# Altium PCB eElements.PcbDoc
Units mm, origin at the board's own origin, x right, y up, seen from the top; angles counter-clockwise.
Board outline 32 x 40 mm, 4 copper layers (Top Layer, PWR, GND, Bottom Layer), stack 1.57 mm thick; 70 components, 49 nets, 263 pads, 73 vias.
Unrouted connection lines stored in the file: 3.
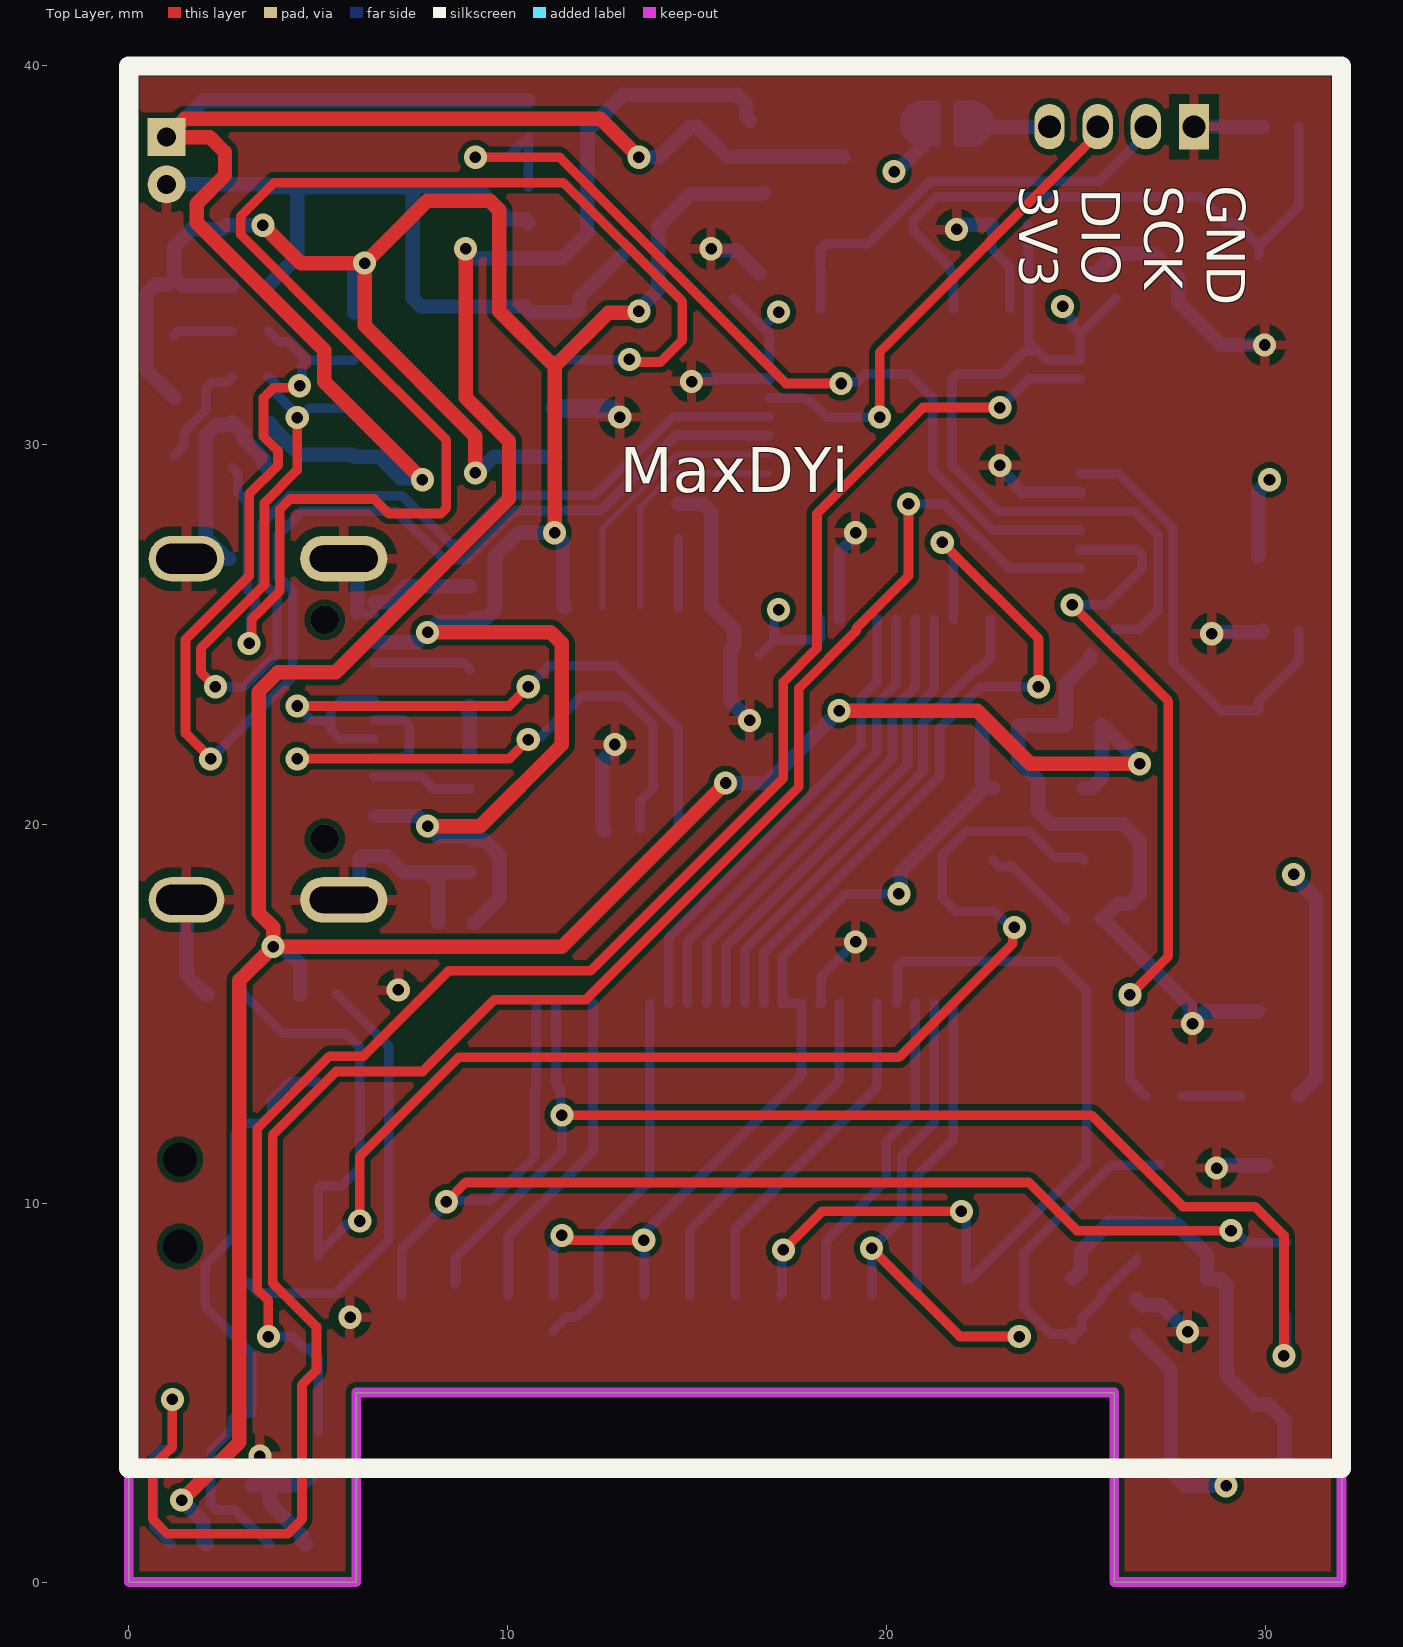
[diagram p0: Top Layer view]
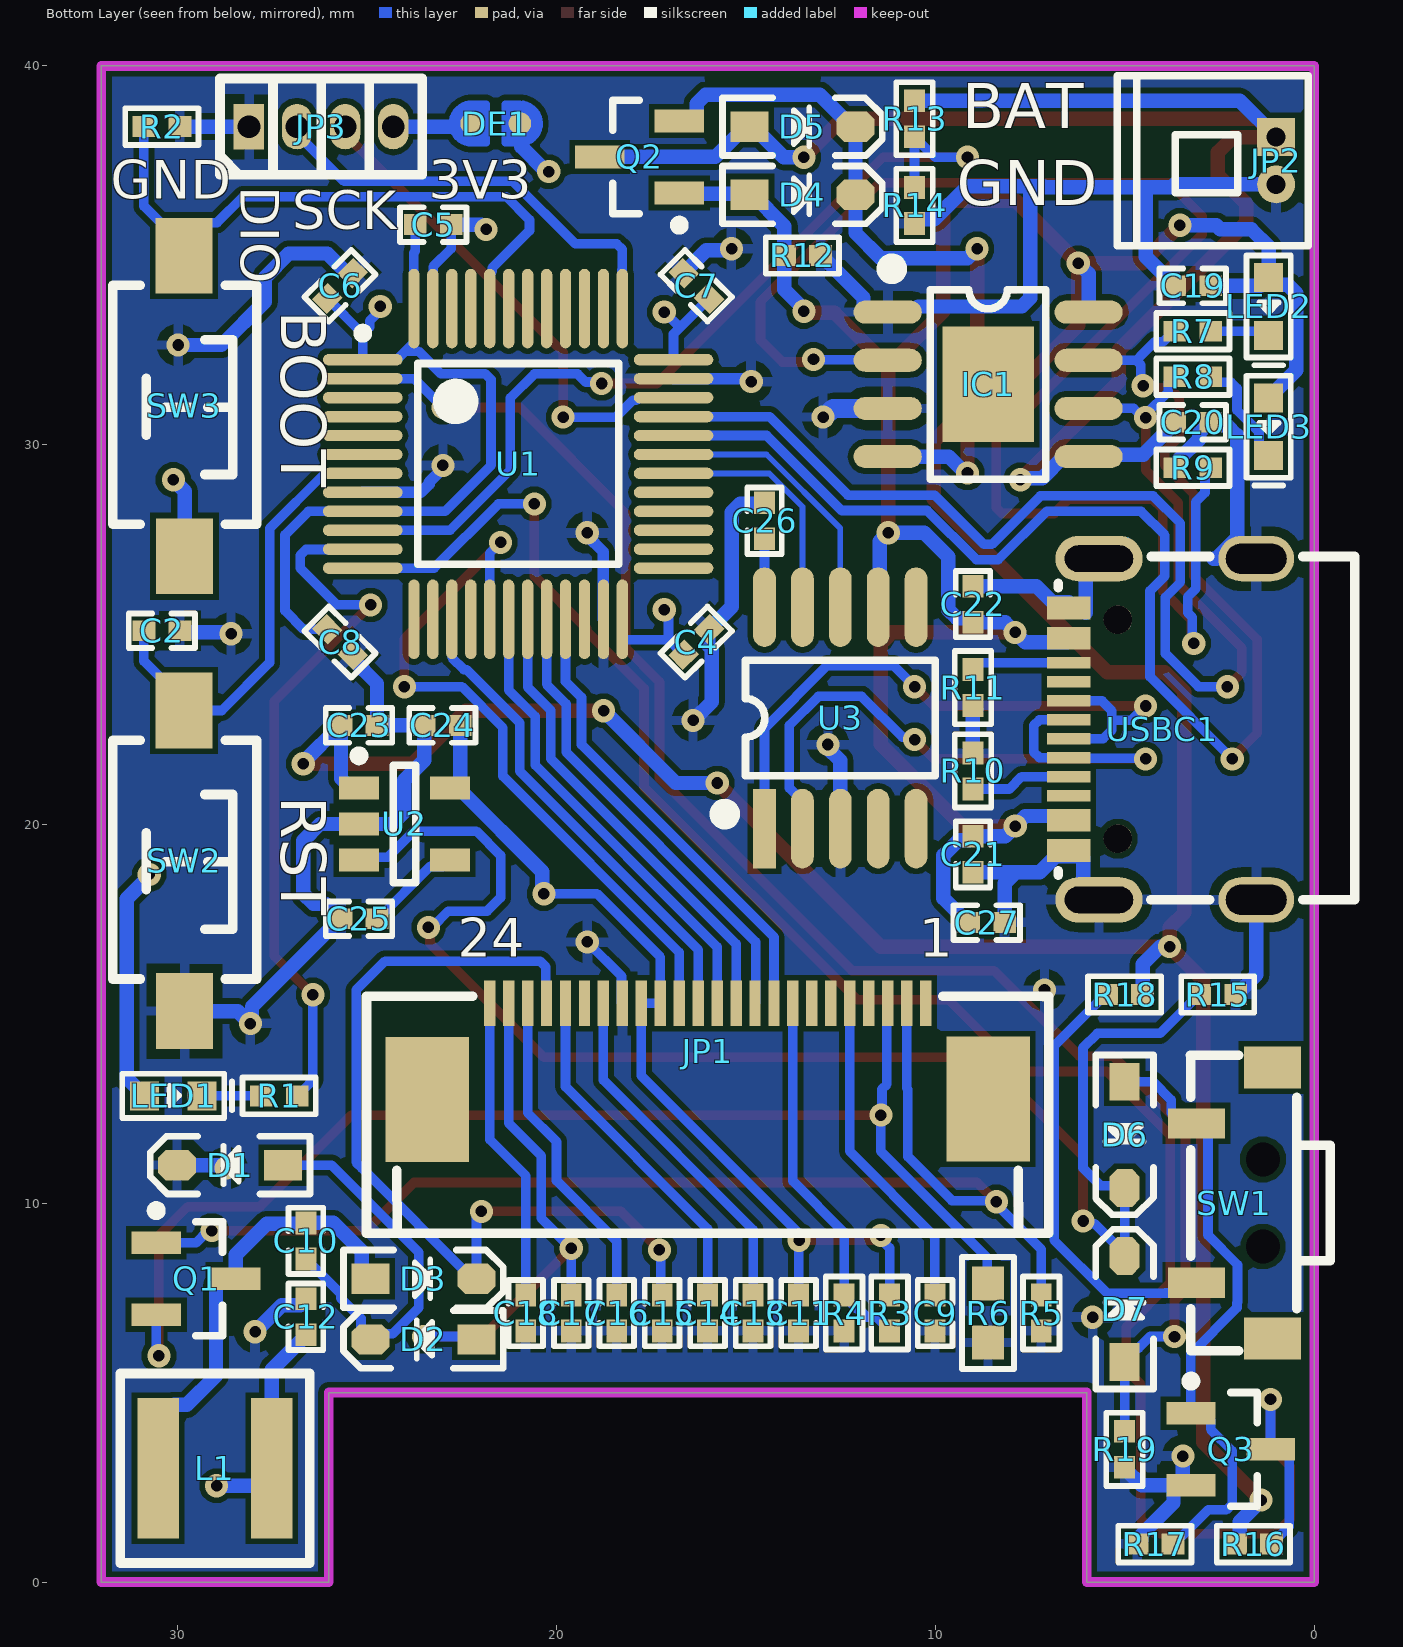
[diagram p1: Bottom Layer view, seen from below]
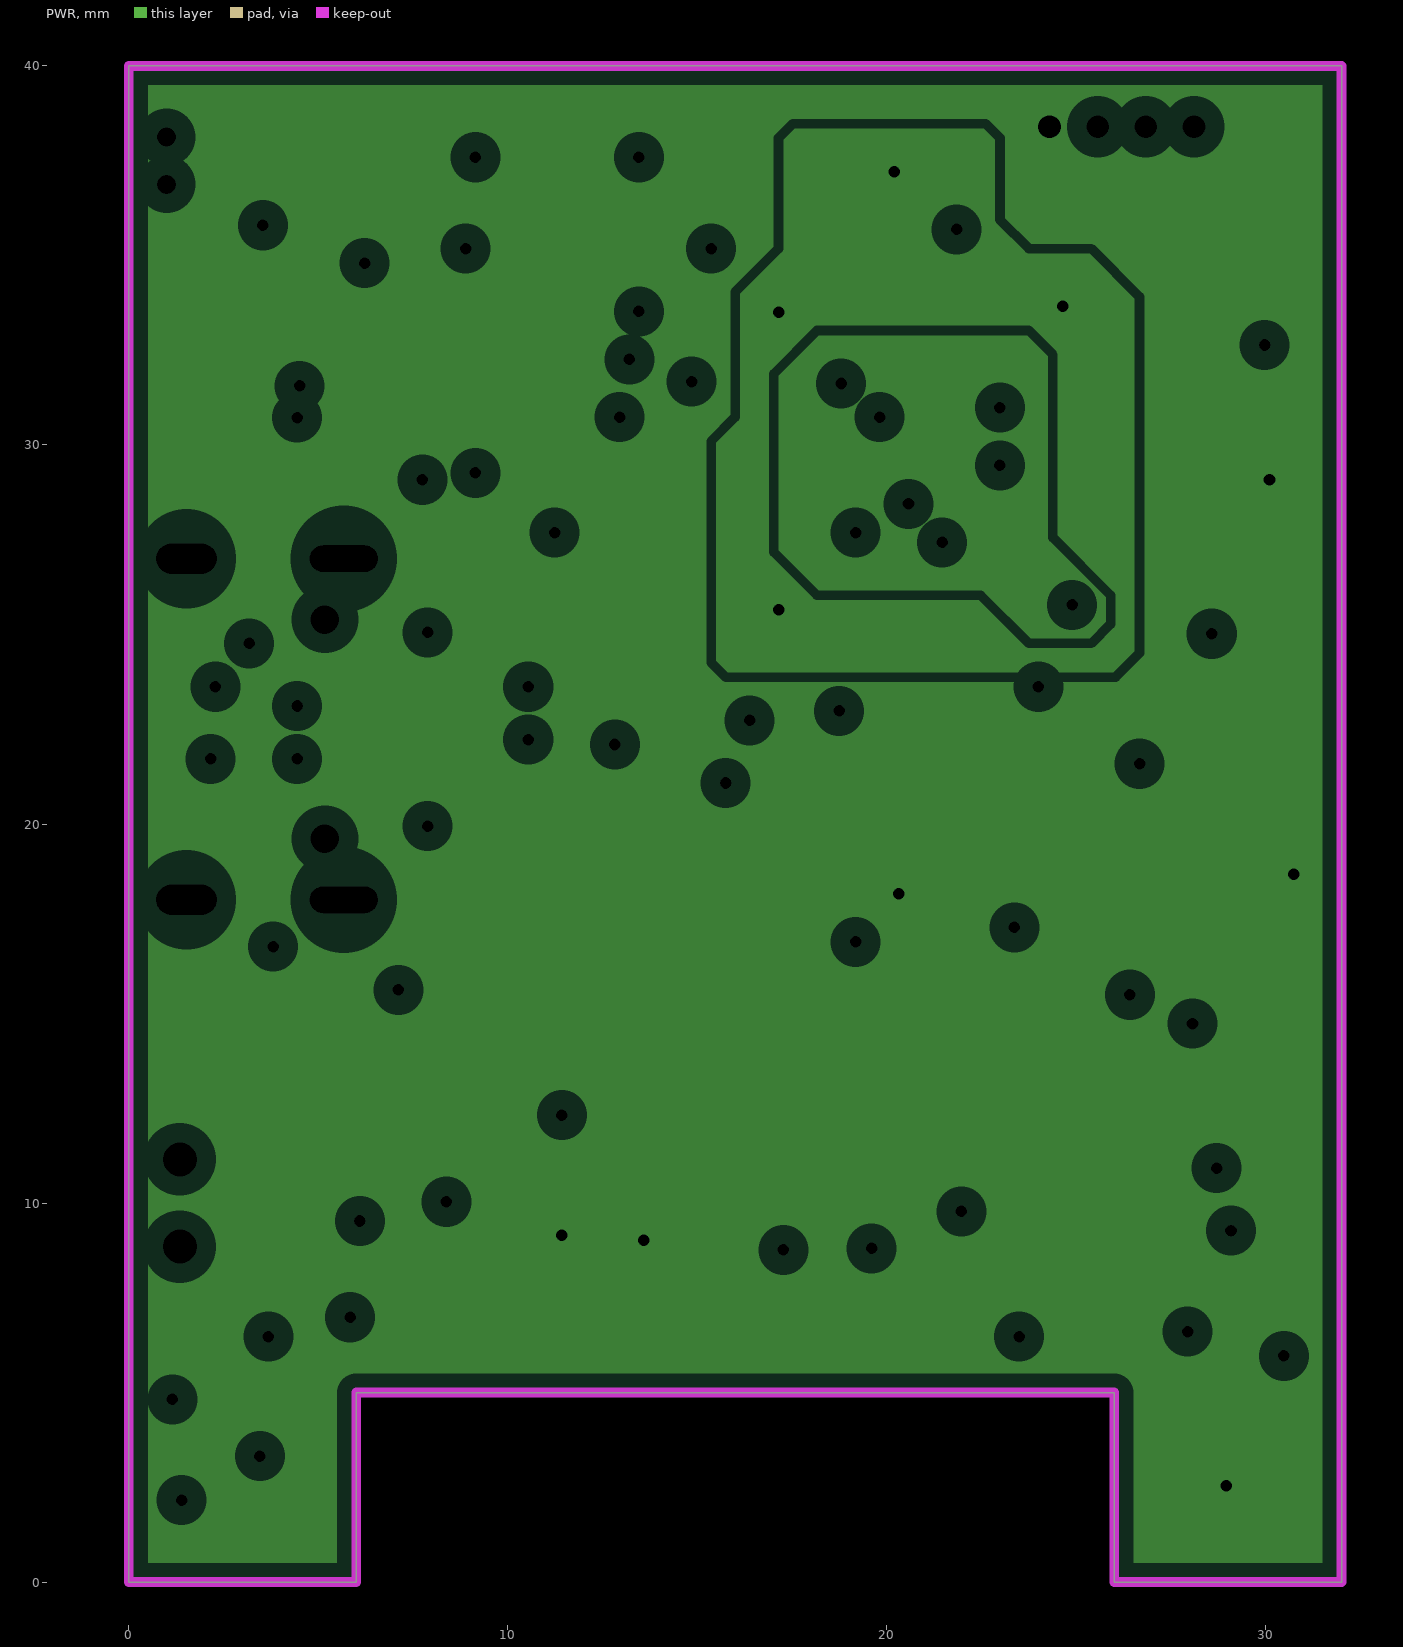
[diagram p2: PWR, clearances drawn from the general rule]
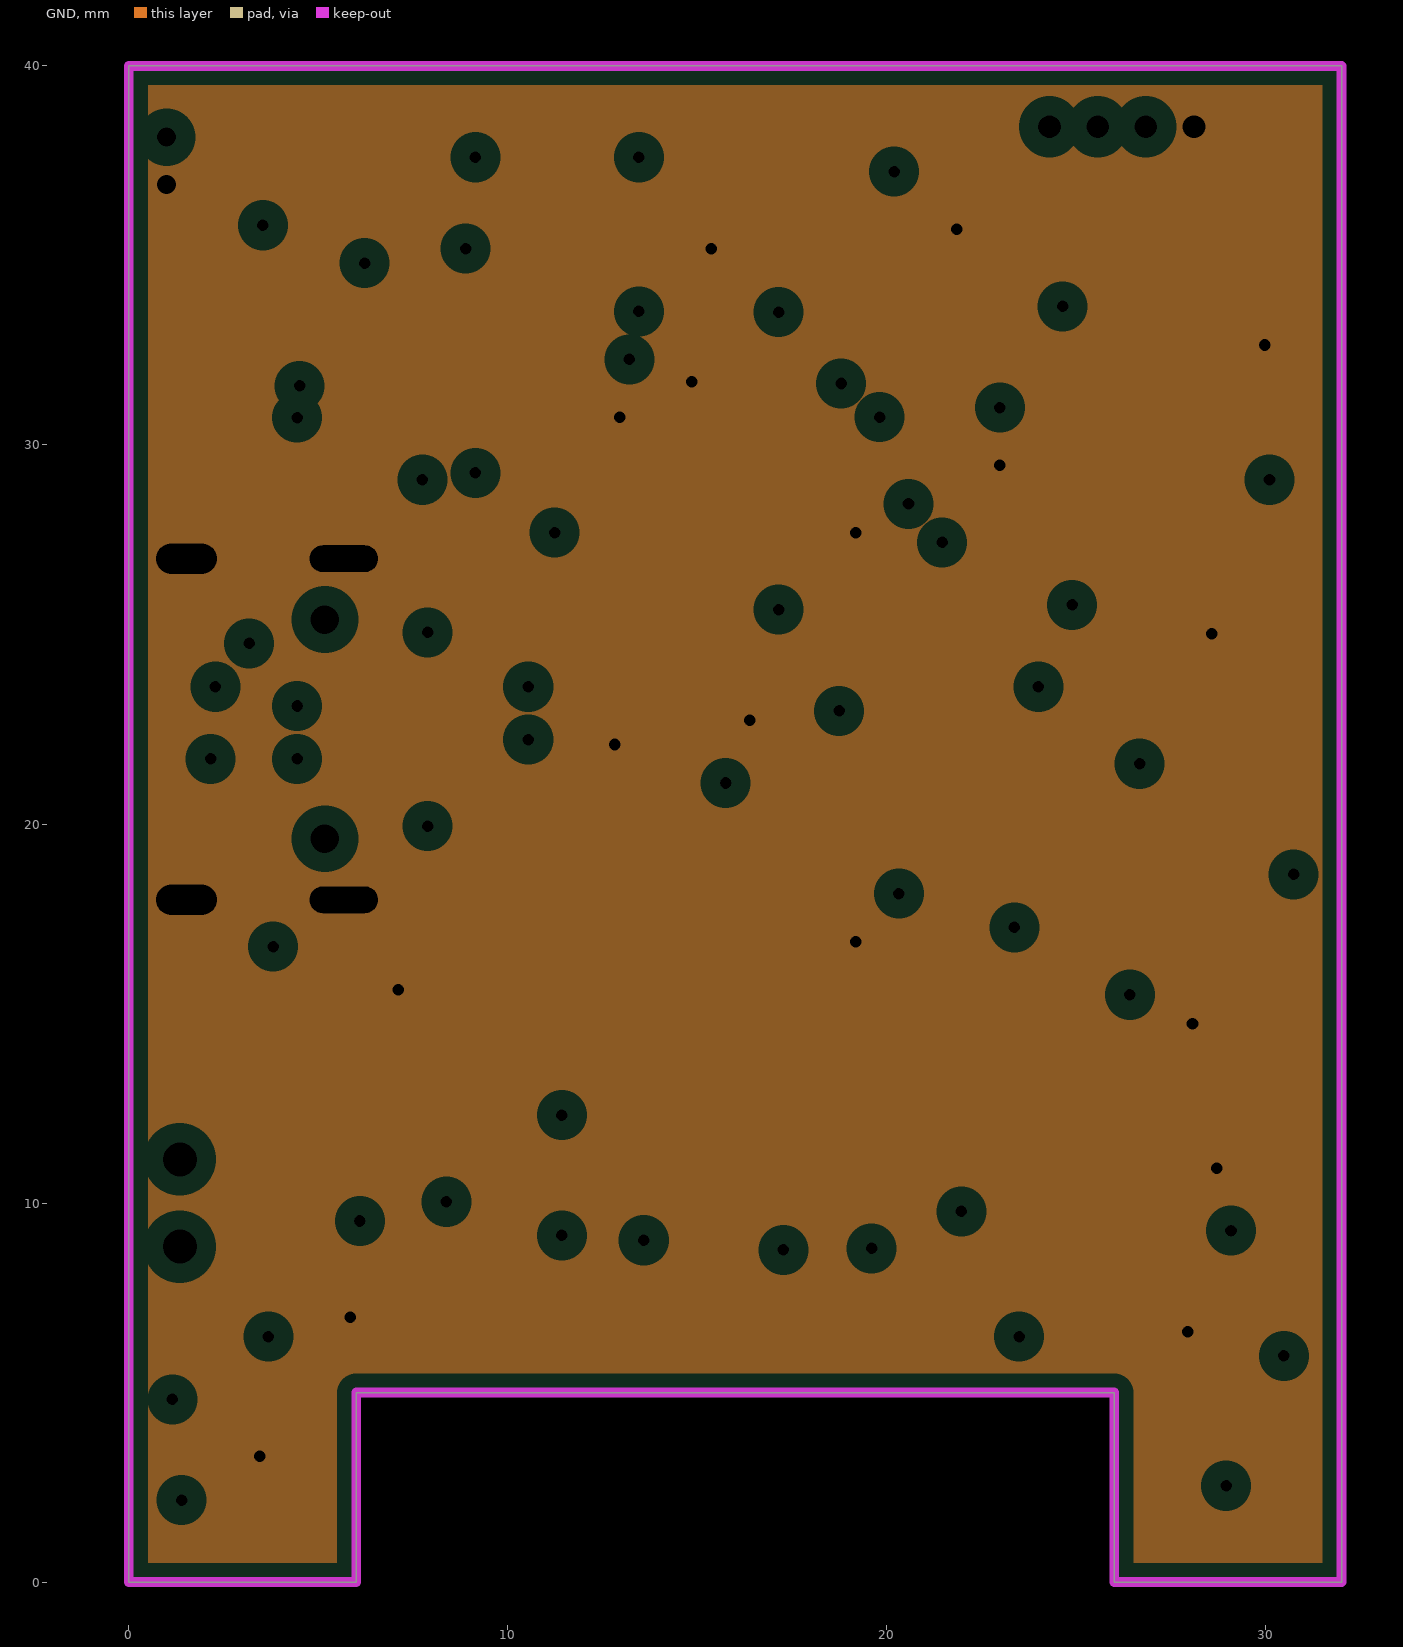
[diagram p3: GND, clearances drawn from the general rule]
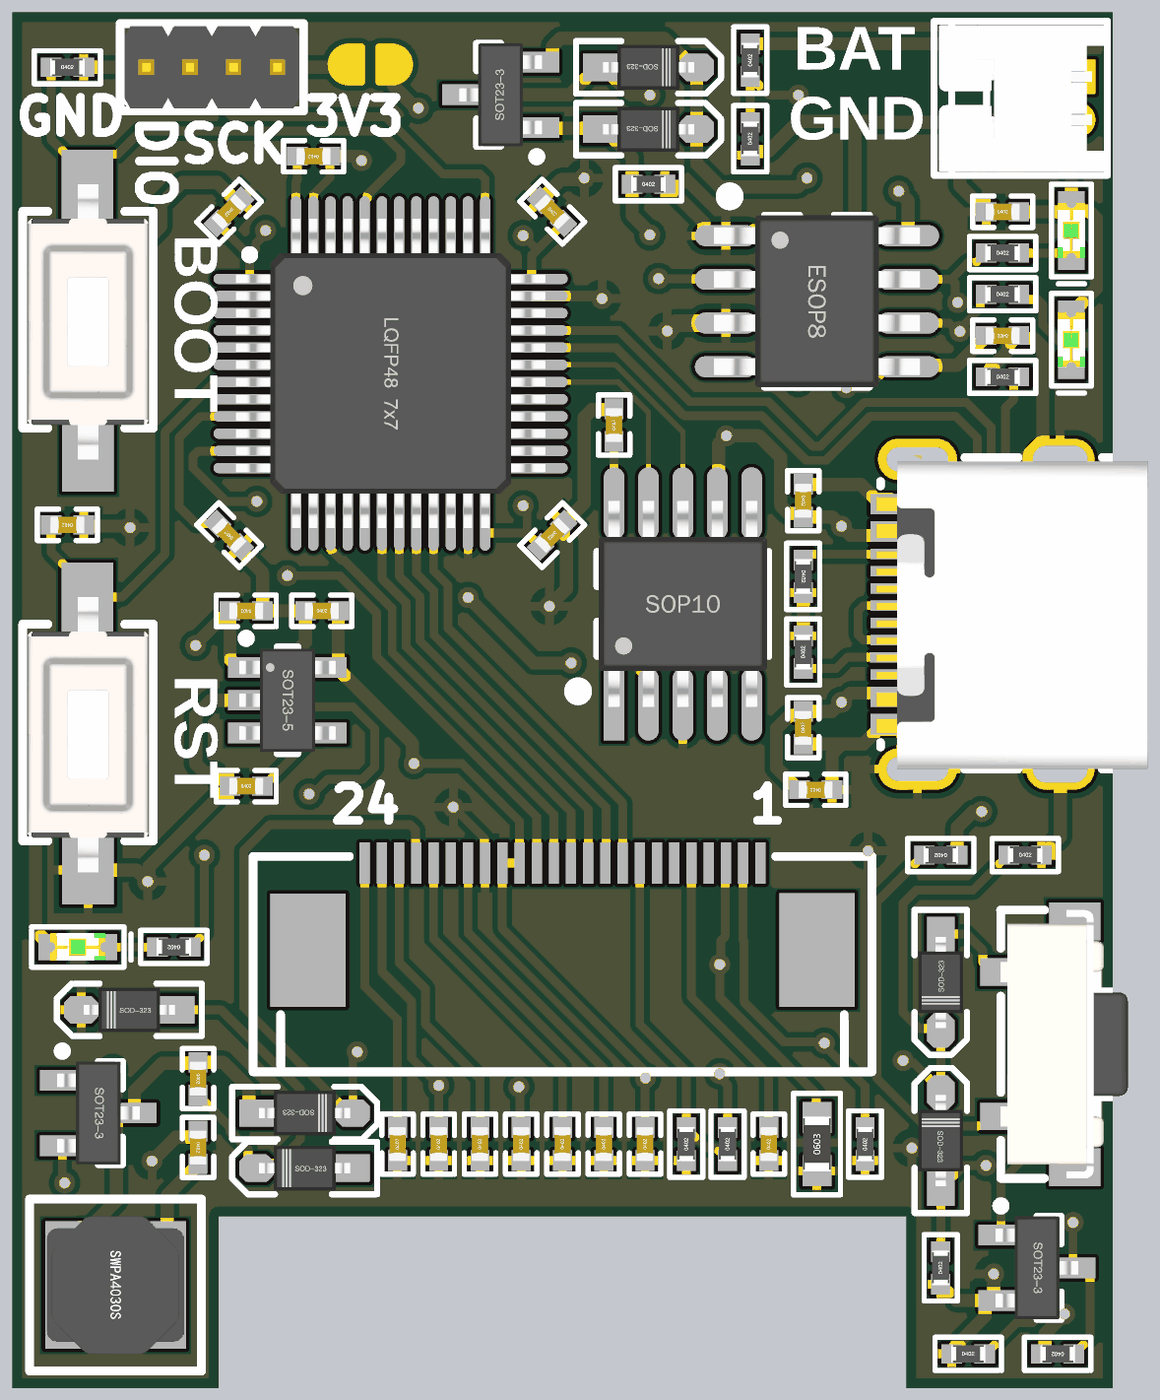
[diagram p4: 3D render of the assembled board from below, using the file's embedded part models]

## Layer stack, top to bottom
Top Solder: solder mask 0.01, Solder Resist, Dk 3.5
Top Layer: signal copper 0.035
Dielectric 2: prepreg 0.2, PP-006, Dk 4.1
PWR: plane copper 0.0175, net (Multiple Nets)
Dielectric 1: dielectric 1.065, FR-4, Dk 4.8
GND: plane copper 0.0175, net GND
Dielectric 3: prepreg 0.2, PP-006, Dk 4.1
Bottom Layer: signal copper 0.035
Bottom Solder: solder mask 0.01, Solder Resist, Dk 3.5

## Board outline
0,0 0,40 32,40 32,0 26,0 26,5 6,5 6,0

## Design rules (kind name [scope] priority, off if disabled: settings)
Clearance [All] p1: gap=0.152 ignorepadtopadclearanceinfootprint=FALSE
MinimumSolderMaskSliver [All] p1: minsoldermaskwidth=0.127
PlaneClearance [All] p1: clearance=0.508
PlaneConnect [All] p1: planeconnectstyle=Relief reliefexpansion=0.508 reliefentries=4 reliefconductorwidth=0.254 reliefairgap=0.254
PolygonConnect [All] p1: connectstyle=Relief reliefconductorwidth=0.254 reliefentries=4 polygonreliefangle="90 Angle" airgapwidth=0.254
RoutingVias [All] p1: holewidth=0.711 width=1.27 viastyle="Through Hole" minholewidth=0.711 minwidth=1.27 maxholewidth=0.711 maxwidth=1.27
SilkToSilkClearance [All] p1: silktosilkclearance=0
SilkToSolderMaskClearance [IsPad] p1: minsilkscreentomaskgap=0 clearancetoexposedcopper=TRUE
SolderMaskExpansion [All] p1: expansion=0.102 istentingtop=FALSE
Width [InNetClass('power')] p1: maxlimit=0.508 minlimit=0.152 preferedwidth=0.381 minimp=50.000000 maximp=50.000000 favimp=50.000000
25 further rules are at their usual default settings.

## Classes and differential pairs
net class signal: BOOT0 EPD_BUSY EPD_CS EPD_DC EPD_RES EPD_SCL EPD_SDA KEY1 PWR_LDO SWCLK SWDIO UART1_RX UART1_TX

## Components (designator, comment, footprint, x,y, rotation, side; value= is the part's Value field where it differs from the comment)
C2 "100nF" C0402_M 30.4,25.1 r0 bottom
C4 "100nF" C0402_M 16.3,24.8 r315 bottom
C5 "100nF" C0402_M 23.241,35.814 r0 bottom
C6 "100nF" C0402_M 25.7,34.2 r315 bottom
C7 "100nF" C0402_M 16.3,34.2 r225 bottom
C8 "100nF" C0402_M 25.7,24.8 r45 bottom
C9 "1uF/50V" C0402_M 10,7.097 r90 bottom
C10 "1uF/50V" C0402_M 26.6,9 r270 bottom
C11 "1uF/50V" C0402_M 13.6,7.097 r90 bottom
C12 "1uF/50V" C0402_M 26.6,7 r270 bottom
C13 "1uF/50V" C0402_M 14.8,7.097 r90 bottom
C14 "1uF/50V" C0402_M 16,7.097 r90 bottom
C15 "1uF/50V" C0402_M 17.2,7.097 r90 bottom
C16 "1uF/50V" C0402_M 18.4,7.097 r90 bottom
C17 "1uF/50V" C0402_M 19.6,7.097 r90 bottom
C18 "1uF/50V" C0402_M 20.8,7.097 r90 bottom
C19 "10uF" C0402_M 3.2,34.2 r180 bottom
C20 "10uF" C0402_M 3.2,30.6 r0 bottom
C21 "100nF" C0402_M 9,19.2 r90 bottom
C22 "100nF" C0402_M 9,25.8 r270 bottom
C23 "1uF" C0402_M 25.2,22.6 r0 bottom
C24 "1uF" C0402_M 23,22.6 r180 bottom
C25 "22nF" C0402_M 25.2,17.5 r180 bottom
C26 "100nF" C0402_M 14.5,28 r90 bottom
C27 "100nF" C0402_M 8.636,17.399 r0 bottom
D1 "1N5819WS" SOD-323 28.6,11 r0 bottom
D2 "1N5819WS" SOD-323 23.5,6.4 r0 bottom
D3 "1N5819WS" SOD-323 23.5,8 r180 bottom
D4 "1N5819WS" SOD-323 13.5,36.6 r180 bottom
D5 "1N5819WS" SOD-323 13.5,38.4 r180 bottom
D6 "1N5819WS" SOD-323 5,11.8 r270 bottom
D7 "1N5819WS" SOD-323 5,7.2 r90 bottom
DE1 "DEBUG PAD" DEBUG_B 21.59,38.481 r180 bottom
IC1 "TP4056" SOIC-8_EP 8.6,31.6 r180 bottom
JP1 "CON-24P" FPC0.5-WT-24P-上接 16,14 r180 bottom locked
JP2 "HDR-1X2" MX1.25-W-2P 1,37.5 r270 bottom
JP3 "HDR-1X4" HDR1.27-LI-4P 26.2,38.4 r180 bottom
L1 "47uH/1A" SWPA4030 29,3 r0 bottom
LED1 "GREEN" LED0603_R 30.099,12.827 r180 bottom
LED2 "RED" LED0603_R 1.2,33.655 r270 bottom
LED3 "GREEN" LED0603_R 1.2,30.48 r270 bottom
Q1 "AO3400" SOT23-3N 29.5,8 r180 bottom
Q2 "AO3401" SOT23-3N 17.8,37.6 r0 bottom
Q3 "AO3400" SOT23-3N 2.2,3.5 r180 bottom
R1 "1K" R0402_M 27.305,12.827 r0 bottom
R2 "100K" R0402_M 30.4,38.4 r180 bottom
R3 "4.7K" R0402_M 11.2,7.097 r90 bottom
R4 "4.7K" R0402_M 12.4,7.097 r90 bottom
R5 "1M" R0402_M 7.2,7.097 r90 bottom
R6 "2.2R" R0603_M 8.6,7.097 r90 bottom
R7 "1K" R0402_M 3.2,33 r180 bottom
R8 "1K" R0402_M 3.2,31.8 r180 bottom
R9 "10K" R0402_M 3.2,29.4 r180 bottom
R10 "5.1K" R0402_M 9,21.4 r90 bottom
R11 "5.1K" R0402_M 9,23.6 r270 bottom
R12 "10K" R0402_M 13.5,35 r180 bottom
R13 "1M" R0402_M 10.541,38.608 r90 bottom
R14 "1M" R0402_M 10.541,36.322 r90 bottom
R15 "1M" R0402_M 2.541,15.5 r180 bottom
R16 "100K" R0402_M 1.6,1 r0 bottom
R17 "10K" R0402_M 4.2,1 r180 bottom
R18 "10K" R0402_M 5,15.5 r0 bottom
R19 "1M" R0402_M 5,3.5 r90 bottom
SW1 "3x6x5" "SW 3*6*4.3-S-W" 1.35,10 r90 bottom
SW2 "3x6x5" "SW SMD-3*6*2.5" 29.8,19 r270 bottom
SW3 "3x6x5" "SW SMD-3*6*2.5" 29.8,31 r270 bottom
U1 "STM32L431CCT6" LQFP48_M 21,29.5 r180 bottom locked
U2 "RT9193-33GB" SOT-23-5 24,20 r180 bottom
U3 "CH340K" SOP10_M 12.5,22.8 r90 bottom
USBC1 "TYPE-C 2.0 -16P" USB-C-SMD_16P 4,22.5 r270 bottom locked

## Footprints (in the part's own frame and the unit in brackets; to place one, negate y for a bottom-side part, rotate by r counter-clockwise, add the part's x,y. Pads: shape width x height; smd on the part's side, far side on the other; paste and mask are expansions set on the pad)
C0402_M [mm] "贴片MLCC电容"
  rect 0.6x0.55 smd: 1(-0.475,0) 2(0.475,0)
  silkscreen extent -0.87,-0.46 0.87,0.46, body extent -0.5,-0.25 0.5,0.25, height 0.5